# Altium PCB HTBLEBMSALL24S100A_PCB_V0.2_260323.pcbdoc (part 7 of 7)
Units mm, origin at the board's own origin, x right, y up, seen from the top; angles counter-clockwise.
Board outline 212.1 x 87.6 mm, 2 copper layers (Top Layer, Bottom Layer), stack 1.56 mm thick; 927 components, 443 nets, 2867 pads, 2632 vias.
Unrouted connection lines stored in the file: 1161.
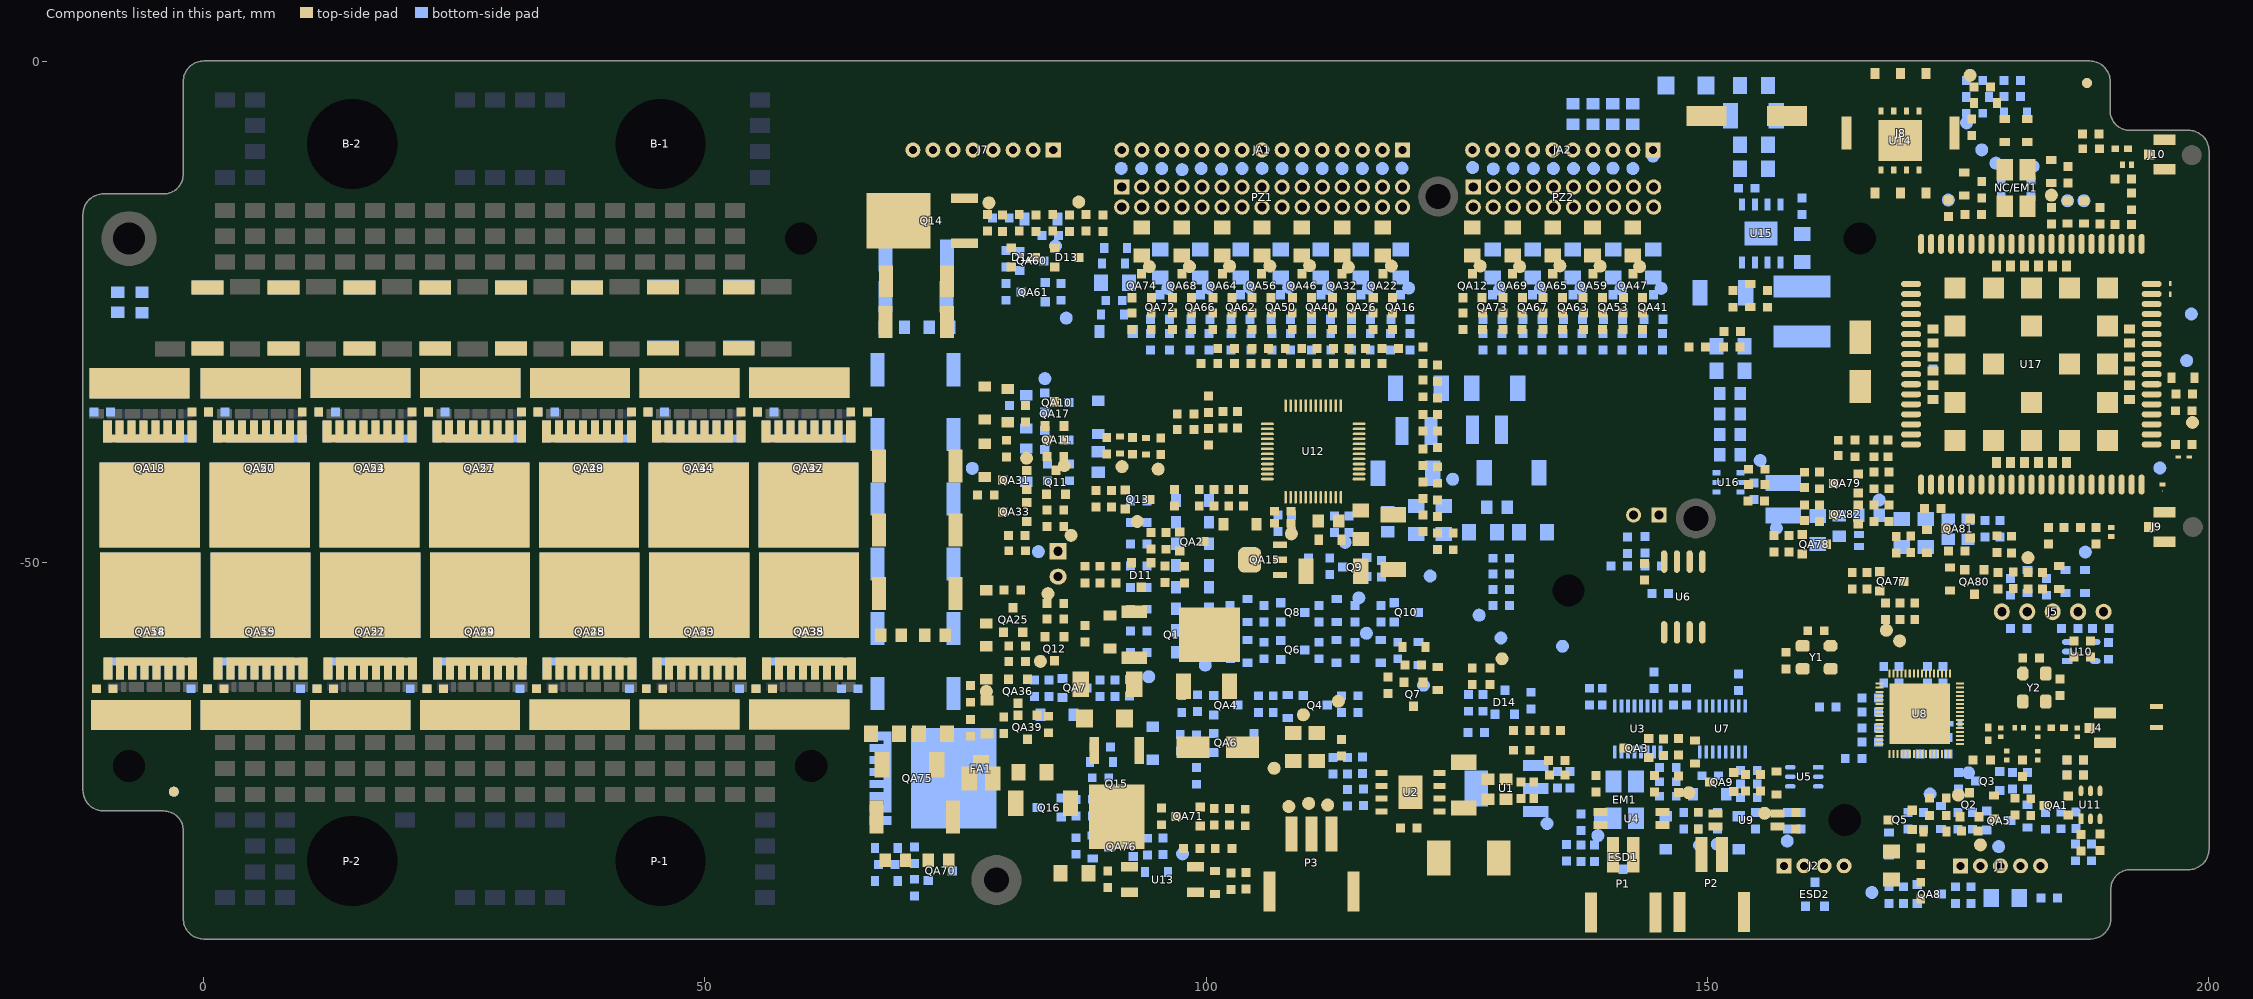
[diagram p7: the components of this part, seen from the top]

## Polygon pours and split planes (outlines as drawn) (continued)
B17 on Bottom Layer "NONET_L-01_P-001" (solid, remove dead copper, pour order 70): 131.09,-7.889 131.29,-8.089 131.29,-22.379 131.91,-22.999 131.91,-24.569 132.15,-24.809 132.15,-27.199 131.848,-27.502 130.593,-27.502 130.41,-27.319 130.41,-22.651 130,-22.241 130,-8.059 130.17,-7.889
B24 on Bottom Layer "NONET_L-01_P-001" (solid, remove dead copper, pour order 69): 145.18,-7.889 145.34,-8.049 145.34,-19.259 145.16,-19.439 144.111,-19.439 143.82,-19.149 143.82,-8.059 143.99,-7.889
B22 on Bottom Layer "NONET_L-01_P-001" (solid, remove dead copper, pour order 68): 141.18,-7.892 141.34,-8.052 141.34,-19.262 141.16,-19.442 140.111,-19.442 139.82,-19.152 139.82,-8.062 139.99,-7.892
B20 on Bottom Layer "NONET_L-01_P-001" (solid, remove dead copper, pour order 67): 137.18,-7.889 137.34,-8.049 137.34,-19.259 137.16,-19.439 136.111,-19.439 135.82,-19.149 135.82,-8.059 135.99,-7.889
B18 on Bottom Layer "NONET_L-01_P-001" (solid, remove dead copper, pour order 66): 133.18,-7.889 133.34,-8.049 133.34,-19.259 133.16,-19.439 132.111,-19.439 131.82,-19.149 131.82,-8.059 131.99,-7.889
B16 on Bottom Layer "NONET_L-01_P-001" (solid, remove dead copper, pour order 65): 129.18,-7.889 129.34,-8.049 129.34,-19.259 129.16,-19.439 128.111,-19.439 127.82,-19.149 127.82,-8.059 127.99,-7.889
B15 on Bottom Layer "NONET_L-01_P-001" (solid, remove dead copper, pour order 64): 127.13,-7.899 127.33,-8.099 127.33,-24.429 128.14,-25.239 128.14,-27.229 127.868,-27.502 126.183,-27.502 125.83,-27.149 125.83,-8.049 125.98,-7.899
B14 on Bottom Layer "NONET_L-01_P-001" (solid, remove dead copper, pour order 63): 120.32,-7.919 120.45,-8.049 120.45,-19.189 120.17,-19.469 118.87,-19.469 118.616,-19.215 118.616,-18.654 118.81,-18.459 118.81,-8.069 118.96,-7.919
B13 on Bottom Layer "NONET_L-01_P-001" (solid, remove dead copper, pour order 62): 118.09,-7.929 118.27,-8.109 118.27,-24.029 119,-24.759 119,-27.42 118.919,-27.502 117.913,-27.502 117.2,-26.789 117.2,-21.989 116.86,-21.649 116.86,-8.069 117,-7.929 117.05,-7.929
B12 on Bottom Layer "NONET_L-01_P-001" (solid, remove dead copper, pour order 61): 116.15,-7.919 116.32,-8.089 116.32,-19.219 116.1,-19.439 114.89,-19.439 114.81,-19.359 114.81,-8.109 115,-7.919
B11 on Bottom Layer "NONET_L-01_P-001" (solid, remove dead copper, pour order 60): 114.14,-7.909 114.29,-8.059 114.29,-24.499 115.17,-25.379 115.17,-27.324 114.935,-27.559 113.94,-27.559 113.33,-26.949 113.33,-21.959 112.85,-21.479 112.85,-8.049 112.99,-7.909 113.21,-7.909
B10 on Bottom Layer "NONET_L-01_P-001" (solid, remove dead copper, pour order 59): 112.12,-7.919 112.27,-8.069 112.27,-19.239 112.07,-19.439 112.045,-19.414 111.055,-19.414 110.83,-19.189 110.83,-8.039 110.95,-7.919 111.33,-7.919
B9 on Bottom Layer "NONET_L-01_P-001" (solid, remove dead copper, pour order 58): 110.12,-7.909 110.31,-8.099 110.31,-24.609 111.03,-25.329 111.03,-27.209 110.738,-27.502 109.923,-27.502 109.37,-26.949 109.37,-21.979 108.79,-21.399 108.79,-8.079 108.96,-7.909
B8 on Bottom Layer "NONET_L-01_P-001" (solid, remove dead copper, pour order 57): 108.376,-11.186 108.376,-18.994 107.955,-19.414 107.075,-19.414 106.839,-19.178 106.839,-11.323
B7 on Bottom Layer "NONET_L-01_P-001" (solid, remove dead copper, pour order 56): 105,-7.909 106.02,-7.909 106.35,-8.239 106.35,-24.299 107.013,-24.962 107.013,-27.257 106.768,-27.502 105.543,-27.502 105.33,-27.289 105.33,-21.979 104.78,-21.429 104.78,-8.129
B6 on Bottom Layer "NONET_L-01_P-001" (solid, remove dead copper, pour order 55): 104.18,-7.919 104.33,-8.069 104.33,-19.099 104.015,-19.414 102.975,-19.414 102.82,-19.259 102.84,-19.239 102.84,-8.039 102.96,-7.919 103.16,-7.919
B5 on Bottom Layer "NONET_L-01_P-001" (solid, remove dead copper, pour order 54): 102.16,-7.919 102.36,-8.119 102.36,-23.919 103.094,-24.653 103.094,-27.266 102.77,-27.589 101.54,-27.589 101.22,-27.269 101.22,-22.039 100.85,-21.669 100.85,-8.049 100.98,-7.919 101.11,-7.919
B4 on Bottom Layer "NONET_L-01_P-001" (solid, remove dead copper, pour order 53): 100.14,-7.909 100.29,-8.059 100.29,-19.129 100.005,-19.414 98.905,-19.414 98.601,-19.109 98.601,-17.976 98.88,-17.696 98.88,-8.049 99.02,-7.909 99.13,-7.909
B3 on Bottom Layer "NONET_L-01_P-001" (solid, remove dead copper, pour order 52): 98,-7.899 98.19,-8.089 98.19,-24.269 99.022,-25.101 99.022,-27.394 98.915,-27.502 97.543,-27.502 97.29,-27.249 97.29,-20.589 96.99,-20.289 96.99,-8.009 97.1,-7.899
B2 on Bottom Layer "NONET_L-01_P-001" (solid, remove dead copper, pour order 51): 94.82,-7.889 96.12,-7.889 96.29,-8.059 96.29,-19.319 96.12,-19.489 94.69,-19.489 94.6,-19.399 94.6,-8.109
B1 on Bottom Layer "NONET_L-01_P-001" (solid, remove dead copper, pour order 50): 94.17,-7.879 94.33,-8.039 94.33,-23.559 94.91,-24.139 94.91,-27.45 94.76,-27.6 94.045,-27.6 93.71,-27.266 93.71,-24.359 93.38,-24.029 93.38,-21.069 92.79,-20.479 92.79,-8.059 92.97,-7.879
B0 on Bottom Layer "NONET_L-01_P-001" (solid, remove dead copper, pour order 49): 92.12,-7.879 92.33,-8.089 92.33,-20.609 92.98,-21.259 92.98,-22.819 92.89,-22.909 91.66,-22.909 90.8,-22.049 90.8,-8.099 91.02,-7.879
NetC69_1 on Bottom Layer "NONET_L-01_P-001" (solid, remove dead copper, pour order 40): 157.085,-19.283 160.616,-19.283 162.358,-21.025 162.358,-23.171 161.875,-23.654 156.595,-23.654 155.657,-24.591 153.184,-24.591 152.928,-24.336 152.928,-21.837 153.043,-21.722 156.125,-21.722 156.782,-21.065 156.782,-19.586
VBAT on Bottom Layer "NONET_L-01_P-001" (solid, remove dead copper, pour order 47): 166.154,-45.127 180.66,-45.127 180.66,-46.354 180.426,-46.588 166.914,-46.588 166.46,-46.134 166.46,-44.825
RS on Bottom Layer "NONET_L-01_P-001" (solid, remove dead copper, pour order 7): 77.6,-26.23 77.6,-28.978 75.655,-30.929 75.655,-64.456 75.401,-64.71 72.968,-64.71 71.403,-63.145 71.403,-29.465 73.71,-27.159 73.71,-26.153
VLTE on Bottom Layer "NONET_L-01_P-001" (solid, remove dead copper, pour order 46): 165.517,-44.273 165.691,-44.447 165.691,-47.498 165.616,-47.573 164.616,-47.573 164.555,-47.512 164.555,-46.436 164.186,-46.067 159.635,-46.067 159.451,-46.252 155.763,-46.252 155.578,-46.067 155.578,-44.397 155.701,-44.273
NetC82_1 on Bottom Layer "NONET_L-01_P-001" (solid, remove dead copper, pour order 45): 153.084,-41.531 155.323,-41.531 155.781,-41.073 159.348,-41.073 159.569,-41.294 159.569,-42.726 159.308,-42.987 155.62,-42.987 155.273,-42.639 154.156,-42.639 153.886,-42.37 153.019,-42.37 152.873,-42.223 152.873,-41.742
5V+ on Bottom Layer "NONET_L-01_P-001" (solid, remove dead copper, pour order 44): 152.991,-25.755 155.54,-25.755 155.874,-26.088 155.874,-28.704 154.846,-29.731 154.846,-41.042 154.574,-41.314 152.838,-41.314 152.558,-41.034 152.558,-26.188
NetC72_2 on Bottom Layer "NONET_L-01_P-001" (solid, remove dead copper, pour order 39): 155.601,-6.963 159.418,-6.963 159.867,-7.412 159.867,-8.628 159.55,-8.945 157.491,-8.945 156.762,-9.674 156.762,-11.654 156.564,-11.853 156.564,-14.76 156.431,-14.892 155.581,-14.892 155.453,-14.765 155.453,-11.759 155.354,-11.66 155.354,-7.209
NetC72_2 on Bottom Layer "NONET_L-01_P-001" (solid, remove dead copper, pour order 37): 157.953,-1.007 158.816,-1.87 158.816,-6.437 158.551,-6.702 156.015,-6.702 155.391,-6.079 155.391,-1.488 155.872,-1.007
NetD32_2 on Bottom Layer "NONET_L-01_P-001" (solid, remove dead copper, pour order 36): 149.068,-1.004 153.811,-1.004 154.087,-1.279 154.087,-3.229 153.826,-3.49 149.204,-3.49 148.935,-3.221 148.935,-1.136
B24 on Bottom Layer "NONET_L-01_P-001" (solid, remove dead copper, pour order 35): 144.763,-12.307 146.054,-11.016 146.054,-4.488 146.83,-3.711 146.83,-1.504 146.464,-1.138 144.673,-1.138 143.834,-1.977 143.834,-12.117 144.025,-12.307
B- on Bottom Layer "B-_L02_P024" (solid, remove dead copper, pour order 24): 0.53,-2.852 64.415,-2.852 64.998,-3.435 64.998,-22.792 63.524,-24.265 -0.316,-24.265 -1.553,-23.028 -1.553,-4.935
RS on Bottom Layer "RS_L02_P034" (solid, remove dead copper, pour order 34): 77.6,-26.23 77.6,-13.012 77.276,-12.688 74.611,-12.688 74.037,-13.262 74.037,-16.249 75.254,-17.466 75.254,-25.609 74.718,-26.145 74.718,-26.427 74.868,-26.577 74.939,-26.505 77.324,-26.505
GND on Top Layer "NONET_L-01_P-001" (solid, remove dead copper, pour order 107): 69.81,-0.15 188.73,-0.15 190.1,-1.52 190.1,-6.38 190.94,-7.22 198.91,-7.22 200.21,-8.52 200.21,-78.38 198.45,-80.14 191.4,-80.14 189.92,-81.62 189.92,-86.29 188.89,-87.32 85.71,-87.32 83.92,-85.53 83.92,-73.807 76.96,-66.847 76.96,-17.58 77.993,-16.547 77.993,-13.025 77.228,-12.26 69.1,-12.26 67.67,-10.83 67.67,-2.29
GND_S on Top Layer "NONET_L-01_P-001" (solid, remove dead copper, pour order 109): 148.36,-73.95 151.75,-73.95 153.133,-75.333 153.133,-81.187 152.58,-81.74 148.08,-81.74 147.18,-80.84 147.18,-75.13
IGND on Top Layer "NONET_L-01_P-001" (solid, remove dead copper, pour order 108): 141.12,-66.99 148.826,-66.99 149.73,-67.894 149.73,-71.03 148.012,-72.748 148.012,-75.388 144.41,-78.99 144.41,-81.16 143.67,-81.9 137.22,-81.9 135.29,-79.97 135.29,-75.32 140.34,-70.27 140.34,-67.77
PACK- on Top Layer "PACK-_L01_P027" (solid, remove dead copper, pour order 27): -11.492,-59.066 -10.959,-58.532 68.068,-58.532 69.219,-59.683 69.219,-84.163 68.124,-85.258 -0.216,-85.258 -1.093,-84.38 -1.093,-70.477 -4.727,-66.842 -11.367,-66.842 -11.771,-66.437 -11.771,-59.345
RS on Top Layer "Top Layer-RS" (solid, remove dead copper, pour order 23): -11.749,-37.427 -10.059,-39.117 65.173,-39.117 67.391,-36.898 74.351,-36.898 75.676,-35.573 75.676,-32.132 75.462,-31.918 71.995,-31.918 71.055,-30.978 65.727,-30.978 61.602,-26.853 -11.022,-26.853 -11.749,-27.58
B8 on Top Layer "NONET_L-01_P-001" (solid, remove dead copper, pour order 103): 88.22,-21.869 88.49,-22.139 88.49,-25.389 85.03,-28.849 78.44,-28.849 78.09,-28.499 78.09,-27.129 78.5,-26.719 84.27,-26.719 86.44,-24.549 86.44,-22.129 86.7,-21.869
B24 on Top Layer "NONET_L-01_P-001" (solid, remove dead copper, pour order 102): 143.99,-7.889 145.3,-7.889 145.55,-8.139 145.55,-16.959 145.23,-17.279 144.16,-17.279 143.84,-16.959 143.84,-8.039
B14 on Top Layer "NONET_L-01_P-001" (solid, remove dead copper, pour order 101): 120.26,-7.859 120.49,-8.089 120.49,-19.349 120.37,-19.469 119.99,-19.469 118.8,-18.279 118.8,-8.079 119.02,-7.859 119.23,-7.859
B22 on Top Layer "NONET_L-01_P-001" (solid, remove dead copper, pour order 100): 141.119,-7.889 141.309,-8.079 141.309,-21.334 142.351,-22.375 142.057,-22.669 141.329,-22.669 140.449,-21.789 140.449,-19.769 139.769,-19.089 139.769,-8.059 139.939,-7.889
B20 on Top Layer "NONET_L-01_P-001" (solid, remove dead copper, pour order 99): 137.119,-7.889 137.309,-8.079 137.309,-21.334 138.351,-22.375 138.057,-22.669 137.329,-22.669 136.449,-21.789 136.449,-19.769 135.769,-19.089 135.769,-8.059 135.939,-7.889
B18 on Top Layer "NONET_L-01_P-001" (solid, remove dead copper, pour order 98): 133.119,-7.889 133.309,-8.079 133.309,-21.334 134.351,-22.375 134.057,-22.669 133.329,-22.669 132.449,-21.789 132.449,-19.769 131.769,-19.089 131.769,-8.059 131.939,-7.889
B16 on Top Layer "NONET_L-01_P-001" (solid, remove dead copper, pour order 97): 129.119,-7.889 129.309,-8.079 129.309,-21.334 130.351,-22.375 130.057,-22.669 129.329,-22.669 128.449,-21.789 128.449,-19.769 127.769,-19.089 127.769,-8.059 127.939,-7.889
B12 on Top Layer "NONET_L-01_P-001" (solid, remove dead copper, pour order 94): 116.12,-7.889 116.31,-8.079 116.31,-21.334 117.352,-22.375 117.058,-22.669 116.33,-22.669 115.45,-21.789 115.45,-19.769 114.77,-19.089 114.77,-8.059 114.94,-7.889
B10 on Top Layer "NONET_L-01_P-001" (solid, remove dead copper, pour order 93): 112.12,-7.889 112.31,-8.079 112.31,-21.334 113.352,-22.375 113.058,-22.669 112.33,-22.669 111.45,-21.789 111.45,-19.769 110.77,-19.089 110.77,-8.059 110.94,-7.889
B8 on Top Layer "NONET_L-01_P-001" (solid, remove dead copper, pour order 92): 108.12,-7.889 108.31,-8.079 108.31,-21.334 109.352,-22.375 109.058,-22.669 108.33,-22.669 107.45,-21.789 107.45,-19.769 106.77,-19.089 106.77,-8.059 106.94,-7.889
B6 on Top Layer "NONET_L-01_P-001" (solid, remove dead copper, pour order 91): 104.12,-7.889 104.31,-8.079 104.31,-21.334 105.352,-22.375 105.058,-22.669 104.33,-22.669 103.45,-21.789 103.45,-19.769 102.77,-19.089 102.77,-8.059 102.94,-7.889
B4 on Top Layer "NONET_L-01_P-001" (solid, remove dead copper, pour order 90): 100.12,-7.889 100.31,-8.079 100.31,-21.334 101.352,-22.375 101.058,-22.669 100.33,-22.669 99.45,-21.789 99.45,-19.769 98.77,-19.089 98.77,-8.059 98.94,-7.889
B2 on Top Layer "NONET_L-01_P-001" (solid, remove dead copper, pour order 89): 96.12,-7.889 96.31,-8.079 96.31,-21.334 97.352,-22.375 97.058,-22.669 96.33,-22.669 95.45,-21.789 95.45,-19.769 94.77,-19.089 94.77,-8.059 94.94,-7.889
B23 on Top Layer "NONET_L-01_P-001" (solid, remove dead copper, pour order 87): 141.972,-7.882 143.172,-7.882 143.322,-8.032 143.322,-17.217 141.812,-17.217 141.812,-8.042
B21 on Top Layer "NONET_L-01_P-001" (solid, remove dead copper, pour order 86): 137.969,-7.879 139.169,-7.879 139.319,-8.029 139.319,-17.214 137.809,-17.214 137.809,-8.039
B19 on Top Layer "NONET_L-01_P-001" (solid, remove dead copper, pour order 85): 133.969,-7.879 135.169,-7.879 135.319,-8.029 135.319,-17.214 133.809,-17.214 133.809,-8.039
B17 on Top Layer "NONET_L-01_P-001" (solid, remove dead copper, pour order 84): 129.969,-7.879 131.169,-7.879 131.319,-8.029 131.319,-17.214 129.809,-17.214 129.809,-8.039
B15 on Top Layer "NONET_L-01_P-001" (solid, remove dead copper, pour order 83): 125.969,-7.879 127.169,-7.879 127.319,-8.029 127.319,-17.214 125.809,-17.214 125.809,-8.039
B13 on Top Layer "NONET_L-01_P-001" (solid, remove dead copper, pour order 82): 116.969,-7.879 118.169,-7.879 118.319,-8.029 118.319,-17.214 116.809,-17.214 116.809,-8.039
B11 on Top Layer "NONET_L-01_P-001" (solid, remove dead copper, pour order 81): 112.97,-7.879 114.17,-7.879 114.32,-8.029 114.32,-17.214 112.81,-17.214 112.81,-8.039
B9 on Top Layer "NONET_L-01_P-001" (solid, remove dead copper, pour order 80): 108.97,-7.879 110.17,-7.879 110.32,-8.029 110.32,-17.214 108.81,-17.214 108.81,-8.039
B7 on Top Layer "NONET_L-01_P-001" (solid, remove dead copper, pour order 79): 104.97,-7.879 106.17,-7.879 106.32,-8.029 106.32,-17.214 104.81,-17.214 104.81,-8.039
B5 on Top Layer "NONET_L-01_P-001" (solid, remove dead copper, pour order 78): 100.97,-7.879 102.17,-7.879 102.32,-8.029 102.32,-17.214 100.81,-17.214 100.81,-8.039
B3 on Top Layer "NONET_L-01_P-001" (solid, remove dead copper, pour order 77): 96.975,-7.879 98.175,-7.879 98.325,-8.029 98.325,-17.214 96.815,-17.214 96.815,-8.039
B1 on Top Layer "NONET_L-01_P-001" (solid, remove dead copper, pour order 76): 92.97,-7.879 94.17,-7.879 94.32,-8.029 94.32,-17.214 92.81,-17.214 92.81,-8.039
B0 on Top Layer "NONET_L-01_P-001" (solid, remove dead copper, pour order 75): 91.02,-7.879 92.12,-7.879 92.34,-8.099 92.34,-21.532 93.209,-22.401 92.911,-22.699 91.87,-22.699 90.82,-21.649 90.82,-8.079
VBAT on Top Layer "NONET_L-01_P-001" (solid, remove dead copper, pour order 48): 179.441,-41.202 179.62,-41.381 179.62,-44.137 180.684,-45.201 180.684,-46.33 180.426,-46.588 178.276,-46.588 177.035,-45.347 177.035,-41.292 177.124,-41.202
5V+ on Top Layer "NONET_L-01_P-001" (solid, remove dead copper, pour order 43): 166.906,-25.804 167.29,-26.189 167.29,-29.129 166.93,-29.489 155.228,-29.489 154.785,-29.046 154.785,-26.221 155.202,-25.804
NetC72_2 on Top Layer "NONET_L-01_P-001" (solid, remove dead copper, pour order 38): 158.687,-1.724 160.067,-3.104 160.067,-8.674 159.333,-9.408 156.348,-9.408 155.391,-8.451 155.391,-2.153 155.82,-1.724
B- on Top Layer "B-_L01_P020" (solid, remove dead copper, pour order 20): -0.283,-2.845 64.408,-2.845 64.998,-3.435 64.998,-22.792 63.524,-24.265 -1.087,-24.265 -1.54,-23.812 -1.54,-4.102
PACK- on Top Layer "PACK-_L01_P030" (solid, pour order 30): 75.297,-38.017 75.757,-38.476 75.757,-59.358 74.187,-60.928 68.421,-60.928 68.068,-60.575 68.068,-58.532 73.034,-58.532 73.329,-58.238 73.329,-56.401 72.437,-55.51 72.437,-38.276 72.696,-38.017
CD+_LS on Top Layer "CD+_LS_L01_P028" (solid, remove dead copper, pour order 28): -10.71,-40.021 65.196,-40.021 67.172,-38.045 69.242,-38.045 70.509,-39.312 70.509,-55.088 67.497,-58.101 65.566,-58.101 65.066,-57.6 -10.987,-57.6 -11.469,-57.118 -11.469,-40.78

## Keep-outs
Keep-Out Layer:
  lines w0.1: -10.002,-13.249 ccw(c-10.002,-15.249) -12.002,-15.249 ; -10.002,-13.249 -4,-13.249 ccw(c-4,-11.249) -2,-11.249 -2,-2 cw(c0,-2) 0,0 188.2,0 ; 131.078,-120.955 ccw(c131.078,-119.955) 132.078,-119.955 ; 188.143,0.001 cw(c188.143,-1.999) 190.143,-1.999 190.143,-4.92 ccw(c192.143,-4.92) 192.143,-6.92 198,-6.92 cw(c198,-8.92) 200,-8.92 ; 199.998,-8.92 199.998,-78.579 cw(c197.998,-78.579) 197.998,-80.579 192.2,-80.579 ccw(c192.2,-82.579) 190.2,-82.579 190.2,-85.5 cw(c188.2,-85.5) 188.2,-87.5 0,-87.5 cw(c0,-85.5) -2,-85.5 -2,-76.718 ccw(c-4,-76.718) -4,-74.718 -10.002,-74.718 cw(c-10.002,-72.718) -12.002,-72.718 -12.002,-15.249 ; -12.002,-15.249 -12.002,-15.249

## Other copper
Top Layer:
  pour cut-out: 148.851,-48.146 cw(c148.851,-45.58) 146.286,-45.58 cw(c148.851,-45.58) 148.851,-43.015 cw(c148.851,-45.58) 151.416,-45.58 cw(c148.851,-45.58)
  pour cut-out: 136.15,-56.02 cw(c136.15,-52.77) 132.9,-52.77 cw(c136.15,-52.77) 136.15,-49.52 cw(c136.15,-52.77) 139.4,-52.77 cw(c136.15,-52.77)
  pour cut-out: 163.71,-78.929 cw(c163.71,-75.679) 160.46,-75.679 cw(c163.71,-75.679) 163.71,-72.429 cw(c163.71,-75.679) 166.96,-75.679 cw(c163.71,-75.679)
  pour cut-out: -7.456,-73.548 cw(c-7.456,-70.298) -10.706,-70.298 cw(c-7.456,-70.298) -7.456,-67.048 cw(c-7.456,-70.298) -4.206,-70.298 cw(c-7.456,-70.298)
  pour cut-out: 165.146,-20.835 cw(c165.146,-17.585) 161.896,-17.585 cw(c165.146,-17.585) 165.146,-14.335 cw(c165.146,-17.585) 168.396,-17.585 cw(c165.146,-17.585)
  pour cut-out: 59.6,-20.919 cw(c59.6,-17.669) 56.35,-17.669 cw(c59.6,-17.669) 59.6,-14.419 cw(c59.6,-17.669) 62.85,-17.669 cw(c59.6,-17.669)
  pour cut-out: -7.456,-20.919 cw(c-7.456,-17.669) -10.706,-17.669 cw(c-7.456,-17.669) -7.456,-14.419 cw(c-7.456,-17.669) -4.206,-17.669 cw(c-7.456,-17.669)
  pour cut-out: 60.6,-73.548 cw(c60.6,-70.298) 57.35,-70.298 cw(c60.6,-70.298) 60.6,-67.048 cw(c60.6,-70.298) 63.85,-70.298 cw(c60.6,-70.298)
  pour cut-out: 190.767,-59.97 199.71,-59.97 199.71,-80.19 190.767,-80.19
  pour cut-out: 158.776,-59.893 158.776,-58.563 159.156,-58.183 162.456,-58.183 162.686,-58.413 162.686,-59.613 162.486,-59.813 162.466,-59.793 159.001,-59.793 158.829,-59.621
  pour cut-out: 181.76,-60.29 183.09,-60.29 183.47,-60.67 183.47,-63.97 183.24,-64.2 182.04,-64.2 181.84,-64 181.86,-63.98 181.86,-60.515 182.032,-60.344
  pour cut-out: 149.52,-76.57 151.02,-76.57 151.76,-77.31 151.76,-80.76 151.46,-81.06 149.23,-81.06 148.99,-80.82 149.03,-80.78 149.03,-77.04 149.52,-76.55
  pour cut-out: 150.269,-67.747 151.71,-69.189 151.71,-72.92 153.895,-75.105 153.895,-81.145 152.81,-82.23 147.7,-82.23 147.03,-81.56 147.56,-81.56 147.92,-81.92 152.79,-81.92 153.61,-81.1 153.61,-75.33 151.47,-73.19 151.47,-69.46 150.25,-68.24 150.269,-68.221
  pour cut-out: 148.27,-71.68 147.92,-72.03 147.92,-73.9 146.4,-75.42 146.4,-80.93 147.03,-81.56 147.24,-81.56 147,-81.32 147,-75.31 148.58,-73.73 148.58,-72.124 149.025,-71.68
  pour cut-out: 142.75,-76.53 143.48,-77.26 143.48,-80.71 143.11,-81.08 138.92,-81.08 138.41,-80.57 138.41,-77.417 139.297,-76.53 139.63,-76.53
  pour cut-out: 140.41,-66.629 140.07,-66.969 140.07,-69.6 139.34,-70.33 138.118,-70.33 136.82,-71.628 136.82,-73.12 134.79,-75.15 134.79,-80.7 136.56,-82.47 144.31,-82.47 145.4,-81.38 145.4,-77.97 144.64,-77.21 144.64,-74.333 144.338,-74.03 143.48,-74.03 143.16,-74.35 143.16,-76.17 144.13,-77.14 144.13,-81.06 143.58,-81.61 137.01,-81.61 135.325,-79.925 135.325,-75.315 137.65,-72.99 137.65,-72.48 140.64,-69.49 140.64,-66.919 140.67,-66.889
  pour cut-out: 140.41,-66.629 140.649,-66.39 148.67,-66.39 149.81,-67.53 149.81,-70.895 149.025,-71.68 148.27,-71.68 148.27,-71.6 148.18,-71.51 148.21,-71.48 148.21,-71.22 148.67,-71.22 149.401,-70.489 149.401,-67.878 148.412,-66.889 140.67,-66.889
  pour cut-out: 90.76,-6.37 146.2,-6.37 147.13,-7.3 147.13,-26.03 139.83,-33.33 131.18,-33.33 128.19,-36.32 128.19,-48.15 125.5,-50.84 122.96,-50.84 122.433,-50.313 122.433,-48.863 120.599,-47.029 117.349,-47.029 116.15,-45.83 116.15,-39.13 123.11,-32.17 123.11,-28.62 121.84,-27.35 121.816,-27.374 91.194,-27.374 90.32,-26.5 90.32,-6.8 90.76,-6.36
  pour cut-out: 164.57,-2.04 174.19,-2.04 174.25,-2.1 174.16,-2.19 174.16,-12.694 173.904,-12.95 164.39,-12.95 164.39,-3.41 164.43,-3.37 164.43,-2.2 164.57,-2.06
  pour cut-out: 90.08,-29.635 90.685,-29.635 95.575,-34.525 96.779,-34.525 97.061,-34.807 97.061,-36.621 96.81,-36.872 95.583,-36.872 90.436,-31.725 90.436,-31.669
  region net C24: 115.795,-41.53 117.911,-41.53 118.655,-42.274 118.655,-43.529 119.864,-44.738 119.864,-45.705 119.6,-45.969 117.423,-45.969 116.923,-45.469 114.756,-45.469 114.573,-45.286 114.573,-41.636 114.675,-41.535 115.803,-41.535
  region net RS: 74.611,-12.688 76.852,-12.688 77.278,-13.115 77.278,-14.252 76.91,-14.621 76.91,-16.536 76.61,-16.836 74.617,-16.836 74.017,-16.236 74.017,-13.282
  region net CD+_LS: 69.171,-20.102 70.258,-21.189 70.258,-27.648 69.874,-28.032 66.697,-28.032 66.184,-27.519 66.184,-20.564 66.646,-20.102
  region net NetQ14_2: 66.262,-12.924 72.247,-12.924 72.529,-13.206 72.529,-14.583 72.529,-18.042 74.822,-20.336 74.937,-20.45 74.937,-27.593 74.771,-27.758 71.64,-27.758 71.16,-27.278 71.16,-21.164 69.303,-19.307 66.45,-19.307 66.097,-18.954 66.097,-13.089
  pour cut-out: 74.299,-15.553 75.102,-16.356 75.102,-27.181 74.058,-28.225 66.468,-28.225 65.551,-27.308 65.551,-16.366 66.364,-15.553
  pour cut-out: 87.055,-72.69 95.945,-72.69 97.573,-74.318 97.573,-76.63 98.846,-77.902 98.846,-84.367 98.139,-85.073 87.832,-85.073 86.378,-83.619 86.378,-73.377 87.07,-72.685
  pour cut-out: 112.501,-73.359 113.37,-74.228 113.37,-75.7 113.455,-75.785 113.455,-78.645 113.025,-79.074 107.976,-79.074 107.308,-78.406 107.308,-73.753 107.702,-73.359
  pour cut-out: 122.747,-74.476 130.766,-74.476 131.523,-75.233 131.523,-81.961 130.237,-83.247 122.112,-83.247 120.923,-82.058 120.923,-76.082 122.596,-74.409
  pour cut-out: 123.077,-74.458 130.748,-74.458 131.523,-75.233 131.523,-77.674 131.439,-77.758 131.439,-81.301 130.253,-82.487 122.617,-82.487 122.013,-81.883 122.013,-75.21 122.747,-74.476 123.004,-74.476
  pour cut-out: 116.202,-70.553 118.09,-70.553 118.294,-70.757 118.279,-70.773 118.279,-74.514 117.868,-74.925 116.778,-74.925 116.048,-74.195 116.048,-70.707
  pour cut-out: 122.496,-71.769 124.172,-71.769 124.571,-72.167 124.571,-74.395 124.157,-74.809 122.978,-74.809 122.696,-74.527 122.696,-74.509 122.496,-74.309
  region net NetFA1_2: 80.416,-68.967 81.343,-69.894 81.79,-69.894 82.135,-70.24 82.135,-71.56 81.8,-71.896 80.599,-71.896 80.172,-71.469 80.172,-70.382 79.915,-70.125 76.885,-70.125 76.649,-69.889 76.649,-69.061 76.743,-68.967
  region net MI-: 75.221,-70.354 76.771,-70.354 77.121,-70.704 77.121,-72.917 75.788,-74.25 75.788,-79.513 74.848,-80.453 73.814,-80.453 73.642,-80.28 73.642,-79.277 72.58,-78.215 70.781,-78.215 70.428,-77.862 70.428,-72.419 70.782,-72.065 74.257,-72.065 74.868,-71.454 74.868,-70.707
  pour cut-out: 75.965,-30.234 76.565,-29.635 90.08,-29.635 90.436,-29.99 90.436,-31.669 90.235,-31.669 90.179,-31.725 76.242,-31.725 75.874,-31.357 75.874,-29.635 75.965,-29.543
  region net B8: 87.241,-67.273 90.393,-67.273 91.206,-68.086 91.206,-71.24 90.914,-71.532 89.417,-71.532 89.384,-71.499 87.126,-71.499 86.702,-71.075 86.702,-67.811
  region net NetDA45_1: 87.629,-72.152 87.83,-71.951 93.641,-71.951 93.842,-72.152 93.842,-78.622 93.664,-78.799 88.45,-78.799 88.247,-78.596 88.247,-75.924 87.965,-75.642 85.994,-75.642 85.704,-75.353 85.704,-72.686 86.237,-72.152
  region net NetDA45_2: 84.51,-69.767 84.774,-70.031 84.774,-71.728 84.645,-71.857 82.026,-74.476 82.026,-75.162 81.668,-75.52 80.294,-75.52 79.89,-75.116 79.89,-72.668 80.276,-72.282 81.744,-72.282 82.384,-71.642 82.384,-70.201 82.819,-69.767
  region net HT-: 77.766,-70.339 79.384,-70.339 79.514,-70.468 79.514,-75.236 82.288,-78.009 82.288,-83.933 81.541,-84.679 76.314,-84.679 75.318,-83.684 75.318,-80.57 76.082,-79.805 76.082,-74.827 77.594,-73.315 77.594,-70.511
  region net M5V: 132.983,-72.932 134.423,-72.932 134.9,-73.408 134.9,-74.22 134.69,-74.43 133.019,-74.43
  region net M5V: 130.169,-81.687 130.514,-81.342 130.514,-76.95 128.881,-75.317 128.881,-74.43 133.034,-74.43 133.288,-74.176 133.288,-73.236 132.983,-72.932 127.675,-72.932 127.479,-73.127 127.479,-81.296 127.87,-81.687
  region net NetC1_1: 126.824,-72.975 127.047,-73.198 127.047,-74.689 124.583,-77.153 124.583,-81.786 124.274,-82.096 122.226,-82.096 122.013,-81.883 122.013,-76.378 122.696,-75.695 122.696,-74.527 122.742,-74.481 124.116,-74.481 124.281,-74.316 124.281,-73.033 124.34,-72.975 124.545,-72.975
  region net NetCA5_2: 105.409,-49.076 107.72,-49.076 108.617,-49.973 108.617,-50.461 105.673,-50.461 105.663,-50.45
  region net NetCA5_2: 108.073,-49.429 106.133,-49.429 105.117,-48.413 103.265,-48.413 103.08,-48.599 103.08,-50.669 103.418,-51.007 105.747,-51.007 106.753,-50.001 107.946,-50.001
  region net VREG: 108.117,-44.873 108.78,-44.209 108.78,-42.861 108.841,-42.8 109.001,-42.8 109.082,-42.881 109.082,-44.847 108.675,-45.254
  region net VCP: 111.558,-45.838 112.473,-44.923 113.07,-44.326 113.07,-42.942 112.968,-42.841 112.841,-42.841 112.79,-42.891 112.79,-44.111 112.282,-44.619 111.445,-45.456 111.153,-45.456
  text "P+" at -1555.438,136.291 h4
  text "P-" at -1555.438,136.291 h4
  text "B-" at -1555.438,136.291 h4
  text "C+" at -1555.438,136.291 h4
  text "B+" at -1555.438,136.291 h4
  text "P+" at -1555.438,136.291 h4
  text "P-" at -1555.438,136.291 h4
  text "B-" at -1555.438,136.291 h4
  text "C+" at -1555.438,136.291 h4
  text "B+" at -1555.438,136.291 h4
Bottom Layer:
  rectangle net GND: 119.105,-74.666 121.444,-71.212
  rectangle net GND: 119.105,-74.628 121.647,-71.212
  pour cut-out: 165.205,-20.919 cw(c165.205,-17.669) 161.955,-17.669 cw(c165.205,-17.669) 165.205,-14.419 cw(c165.205,-17.669) 168.455,-17.669 cw(c165.205,-17.669)
  pour cut-out: 163.71,-78.929 cw(c163.71,-75.679) 160.46,-75.679 cw(c163.71,-75.679) 163.71,-72.429 cw(c163.71,-75.679) 166.96,-75.679 cw(c163.71,-75.679)
  pour cut-out: 136.15,-56.02 cw(c136.15,-52.77) 132.9,-52.77 cw(c136.15,-52.77) 136.15,-49.52 cw(c136.15,-52.77) 139.4,-52.77 cw(c136.15,-52.77)
  pour cut-out: -7.456,-73.548 cw(c-7.456,-70.298) -10.706,-70.298 cw(c-7.456,-70.298) -7.456,-67.048 cw(c-7.456,-70.298) -4.206,-70.298 cw(c-7.456,-70.298)
  pour cut-out: -7.456,-20.919 cw(c-7.456,-17.669) -10.706,-17.669 cw(c-7.456,-17.669) -7.456,-14.419 cw(c-7.456,-17.669) -4.206,-17.669 cw(c-7.456,-17.669)
  pour cut-out: 59.6,-20.919 cw(c59.6,-17.669) 56.35,-17.669 cw(c59.6,-17.669) 59.6,-14.419 cw(c59.6,-17.669) 62.85,-17.669 cw(c59.6,-17.669)
  pour cut-out: -7.456,-20.919 cw(c-7.456,-17.669) -10.706,-17.669 cw(c-7.456,-17.669) -7.456,-14.419 cw(c-7.456,-17.669) -4.206,-17.669 cw(c-7.456,-17.669)
  pour cut-out: 60.6,-73.548 cw(c60.6,-70.298) 57.35,-70.298 cw(c60.6,-70.298) 60.6,-67.048 cw(c60.6,-70.298) 63.85,-70.298 cw(c60.6,-70.298)
  region net B24: 156.085,-85.025 155.56,-85.55 155.56,-85.86 156.73,-85.86 156.85,-85.74 156.11,-85 156.11,-84.89
  pour cut-out: 190.837,-59.97 199.78,-59.97 199.78,-80.19 190.837,-80.19
  pour cut-out: 88.84,-4.3 133.62,-4.3 135.19,-2.73 142.18,-2.73 144.2,-0.71 146.85,-0.71 147.55,-1.41 147.55,-4.17 146.83,-4.89 146.83,-30.259 145.959,-31.13 88.05,-31.13 85.12,-28.2 85.12,-8.12 88.88,-4.36 88.88,-4.32
  pour cut-out: 145.53,-80.84 144.56,-79.87 144.56,-81.01 144.41,-81.16 144.82,-81.57 145.59,-81.57
  pour cut-out: 147.5,-66.77 154.65,-66.77 156.31,-68.43 156.31,-78.87 153.61,-81.57 145.59,-81.57 145.36,-81.34 145.36,-80.97 145.51,-80.82 145.53,-80.84 153.96,-80.84 156.09,-78.71 156.09,-68.51 154.53,-66.95 146.568,-66.95 146.408,-66.79
  pour cut-out: 142.32,-66.79 146.408,-66.79 148.058,-68.44 148.058,-72.342 147.92,-72.48 147.92,-73.65 146.95,-74.62 145.27,-74.62 144.64,-75.25 144.64,-81.75 143.85,-82.54 143.85,-82.08 143.9,-82.08 144.37,-81.61 144.37,-75.16 145.11,-74.42 146.8,-74.42 147.647,-73.573 147.647,-68.347 146.29,-66.99 142.12,-66.99
  pour cut-out: 142.32,-66.79 142.12,-66.99 141.88,-66.99 140.6,-68.27 139.66,-69.21 139.66,-70.24 139.32,-70.58 139.32,-72.32 134.37,-77.27 134.37,-81 135.45,-82.08 143.85,-82.08 143.97,-82.2 143.97,-82.44 143.95,-82.44 143.78,-82.61 134.69,-82.61 133.84,-81.76 133.84,-77.18 139.08,-71.94 139.08,-69.03 141.32,-66.79
  region net NetCA15_1: 54.275,-39.275 54.695,-38.855 54.695,-38.822 54.821,-38.822 55.274,-39.275
  region net NetCA15_1: 43.33,-39.275 43.75,-38.855 43.75,-38.822 43.876,-38.822 44.33,-39.275
  region net NetCA15_1: 32.385,-39.275 32.805,-38.855 32.805,-38.822 32.932,-38.822 33.385,-39.275
  region net NetCA15_1: 21.44,-39.275 21.86,-38.855 21.86,-38.822 21.987,-38.822 22.44,-39.275
  region net NetCA15_1: 10.495,-39.275 10.915,-38.855 10.915,-38.822 11.042,-38.822 11.495,-39.275
  region net NetCA15_1: -0.446,-39.289 -0.025,-38.869 -0.025,-38.836 0.101,-38.836 0.554,-39.289
  region net B8: 106.857,-8.136 104.622,-5.9 104.622,-5.672 105.249,-5.045 106.753,-5.045 108.194,-6.486
  region net B8: 106.839,-8.121 106.839,-11.821 107.578,-12.561 107.578,-12.482 108.376,-11.685 108.376,-6.668 108.012,-6.305
  region net M5V: 135.465,-73.636 135.679,-73.851 135.679,-74.705 135.023,-75.361 132.84,-75.361 132.766,-75.287 132.766,-73.682 132.812,-73.636
  region net NetQ14_2: 71.396,-17.646 74.652,-17.646 74.81,-17.803 74.81,-25.134 74.515,-25.428 71.502,-25.428 71.193,-25.119 71.193,-17.849
  region net B8: 88.849,-67.344 89.379,-67.875 89.379,-71.43 88.957,-71.852 86.979,-71.852 86.578,-71.451 86.578,-67.6 86.834,-67.344
  region net HT-: 77.043,-77.364 81.643,-77.364 82.305,-78.027 82.305,-83.915 81.541,-84.679 76.314,-84.679 75.58,-83.945 75.58,-80.387 76.578,-79.389 76.578,-77.829
  region net MI-: 70.591,-66.485 79.189,-66.485 79.374,-66.671 79.374,-76.242 78.991,-76.625 76.044,-76.625 75.788,-76.882 75.788,-78.738 75.585,-78.942 73.029,-78.942 71.599,-77.512 70.682,-77.512 70.469,-77.298 70.479,-77.288 70.479,-66.597

## Silkscreen, mask and mechanical layers (free items; w line width, h text height)
Top Overlay:
  circle w0.1: c148.851,-45.58 r2.565
  circle w0.254: c148.851,-45.58 r2
  circle w0.254: c123.15,-13.47 r2
  circle w0.254: c136.15,-52.77 r3.25
  circle w0.254: c136.15,-52.77 r2
  circle w0.254: c163.71,-75.679 r2
  circle w0.254: c163.71,-75.679 r3.25
  circle w0.254: c165.205,-17.669 r3.25
  circle w0.254: c59.6,-17.669 r3.25
  circle w0.254: c-7.456,-17.669 r3.25
  circle w0.254: c-7.456,-70.298 r3.25
  circle w0.254: c60.6,-70.298 r3.25
  circle w0.254: c60.6,-70.298 r2
  circle w0.254: c59.6,-17.669 r2
  circle w0.254: c-7.456,-70.298 r2
  circle w0.254: c-7.456,-17.669 r2
  circle w0.254: c165.205,-17.669 r2
  lines w0.1: 74.129,-42.455 ccw(c75.129,-42.455) 75.129,-43.455 ; 82.08,-15.529 ccw(c82.08,-16.529) 81.08,-16.529 81.08,-46.029 ccw(c82.08,-46.029) 82.08,-47.029 160.277,-47.029 ccw(c160.277,-46.029) 161.277,-46.029 161.277,-16.529 ; 82.082,-15.527 88.163,-15.527 ; 88.165,-15.525 ccw(c88.165,-14.525) 89.165,-14.525 89.165,-11.88 cw(c90.165,-11.88) 90.165,-10.88 153.377,-10.88 cw(c153.377,-11.88) 154.377,-11.88 154.377,-14.525 ; 154.379,-14.527 ccw(c155.379,-14.527) 155.379,-15.527 160.275,-15.527 cw(c160.275,-16.527) 161.275,-16.527 ; 190.806,-56.165 195.63,-56.165 195.63,-53.625 190.806,-53.625 ; 79.327,-57.517 79.187,-57.378 cw(c79.325,-57.239) 79.13,-57.239 79.13,-50.153 79.209,-50.153 82.328,-50.153 82.328,-57.554 82.291,-57.517 79.327,-57.517 ; 79.327,-57.517 79.327,-64.702 79.327,-64.732 86.112,-64.732 86.112,-60.478 82.592,-60.478 82.592,-57.536 82.611,-57.517 79.327,-57.517 ; 76.91,-26.839 76.91,-23.719 91.8,-23.719 91.8,-24.289 119.45,-24.289 119.45,-27.629 91.78,-27.629 91.78,-26.839 76.91,-26.839 ; 149.52,-39.73 149.52,-34.94 155.35,-34.94 155.35,-39.61 155.35,-39.69 158.66,-39.69 158.66,-40.23 169.02,-40.23 169.02,-46.587 158.38,-46.587 158.38,-39.73 149.52,-39.73 ; 167.39,-77.669 167.39,-69.929 174.618,-69.929 174.618,-77.669 167.39,-77.669 ; 178.2,-53.459 178.2,-50.069 184.03,-50.069 184.03,-49.239 191.01,-49.239 191.01,-53.459 178.2,-53.459 ; 182.9,-5.949 186.34,-5.949 186.34,-3.59 185.11,-3.59 185.11,-1.699 182.9,-1.699 182.9,-5.949 ; 183.4,-17.009 183.4,-8.879 186.76,-8.879 186.76,-12.779 189.92,-12.779 189.92,-17.009 183.4,-17.009
  text "B0" at 88.088,-10.279 h1.6 r270
  text "B14" at 122.8,-10.279 h1.6 r90
  text "B15" at 124.323,-10.279 h1.6 r90
  text "B24" at 147.85,-10.279 h1.6 r90
  text "T1" at 70.49,-11.239 h1
  text "GND" at 71.918,-11.247 h1
  text "T2" at 74.394,-11.239 h1
  text "T3" at 78.324,-11.239 h1
  text "GND" at 79.848,-11.247 h1
  text "T4" at 82.327,-11.236 h1
  text "GND" at 83.798,-11.247 h1
  text "HTBLEBMSALL4G24S100A" at 81.44,-28.992 h1.6
  text "20260323" at 87.93,-30.45 h1.5
  text "GND" at 100.94,-52.118 h1
  text "GND" at 191.99,-55.8 h0.9 r90
  text "CLK" at 192.842,-55.8 h0.9 r90
  text "RST" at 193.695,-55.8 h0.9 r90
  text "DIO" at 194.547,-55.8 h0.9 r90
  text "VDD" at 195.38,-55.799 h0.9 r90
  text "HT-" at 75.506,-85.24 h1.8
  text "CRG" at 107.209,-86.31 h1.1
  text "ACC" at 109.642,-86.31 h1.1
  text "DSG" at 111.926,-86.31 h1.1
  text "KI" at 176.503,-87.398 h1.1
  text "K+" at 180.9,-87.398 h1.1
  text "K-" at 182.81,-87.398 h1.1
  text "KO" at 174.59,-87.41 h1.1
  text "OWC" at 177.879,-87.41 h1.1
  text "CANL" at 139.21,-87.477 h1
  text "CANH" at 142.38,-87.477 h1
  text "485B" at 147.19,-87.477 h1
  text "485A" at 151.46,-87.477 h1
  text "GND" at 156.64,-87.474 h1.2
  text "VCC" at 162.969,-87.474 h1.2
  text "TX" at 159.452,-87.488 h1.2
  text "RX" at 161.175,-87.488 h1.2
Bottom Overlay:
  lines w0.1: 98.403,-69.469 98.47,-69.537 ; 144.691,-69.795 155.92,-69.795 155.92,-79.699 144.39,-79.699 144.39,-69.78 144.711,-69.78 ; 145.21,-84.099 145.21,-79.699 152.81,-79.699 152.81,-84.099 145.21,-84.099
Bottom Solder:
  rectangle: 37.399,-13.279 53.399,-3.064
  rectangle: 6.651,-13.279 22.651,-3.064
  rectangle: 37.404,-85.158 53.404,-74.72
  rectangle: 6.651,-85.158 22.651,-74.72
  rectangle: 119.105,-74.628 121.647,-71.212
Mechanical 7:
  drawing of 1548 lines, arcs and shapes, not listed

## Text inside footprints (layer, text, board x,y; h text height)
C75: Top Overlay "+" at 157.918,-7.273 h2 r180